# Altium PCB SPEC-A7.PcbDoc (part 5 of 10) (continued)
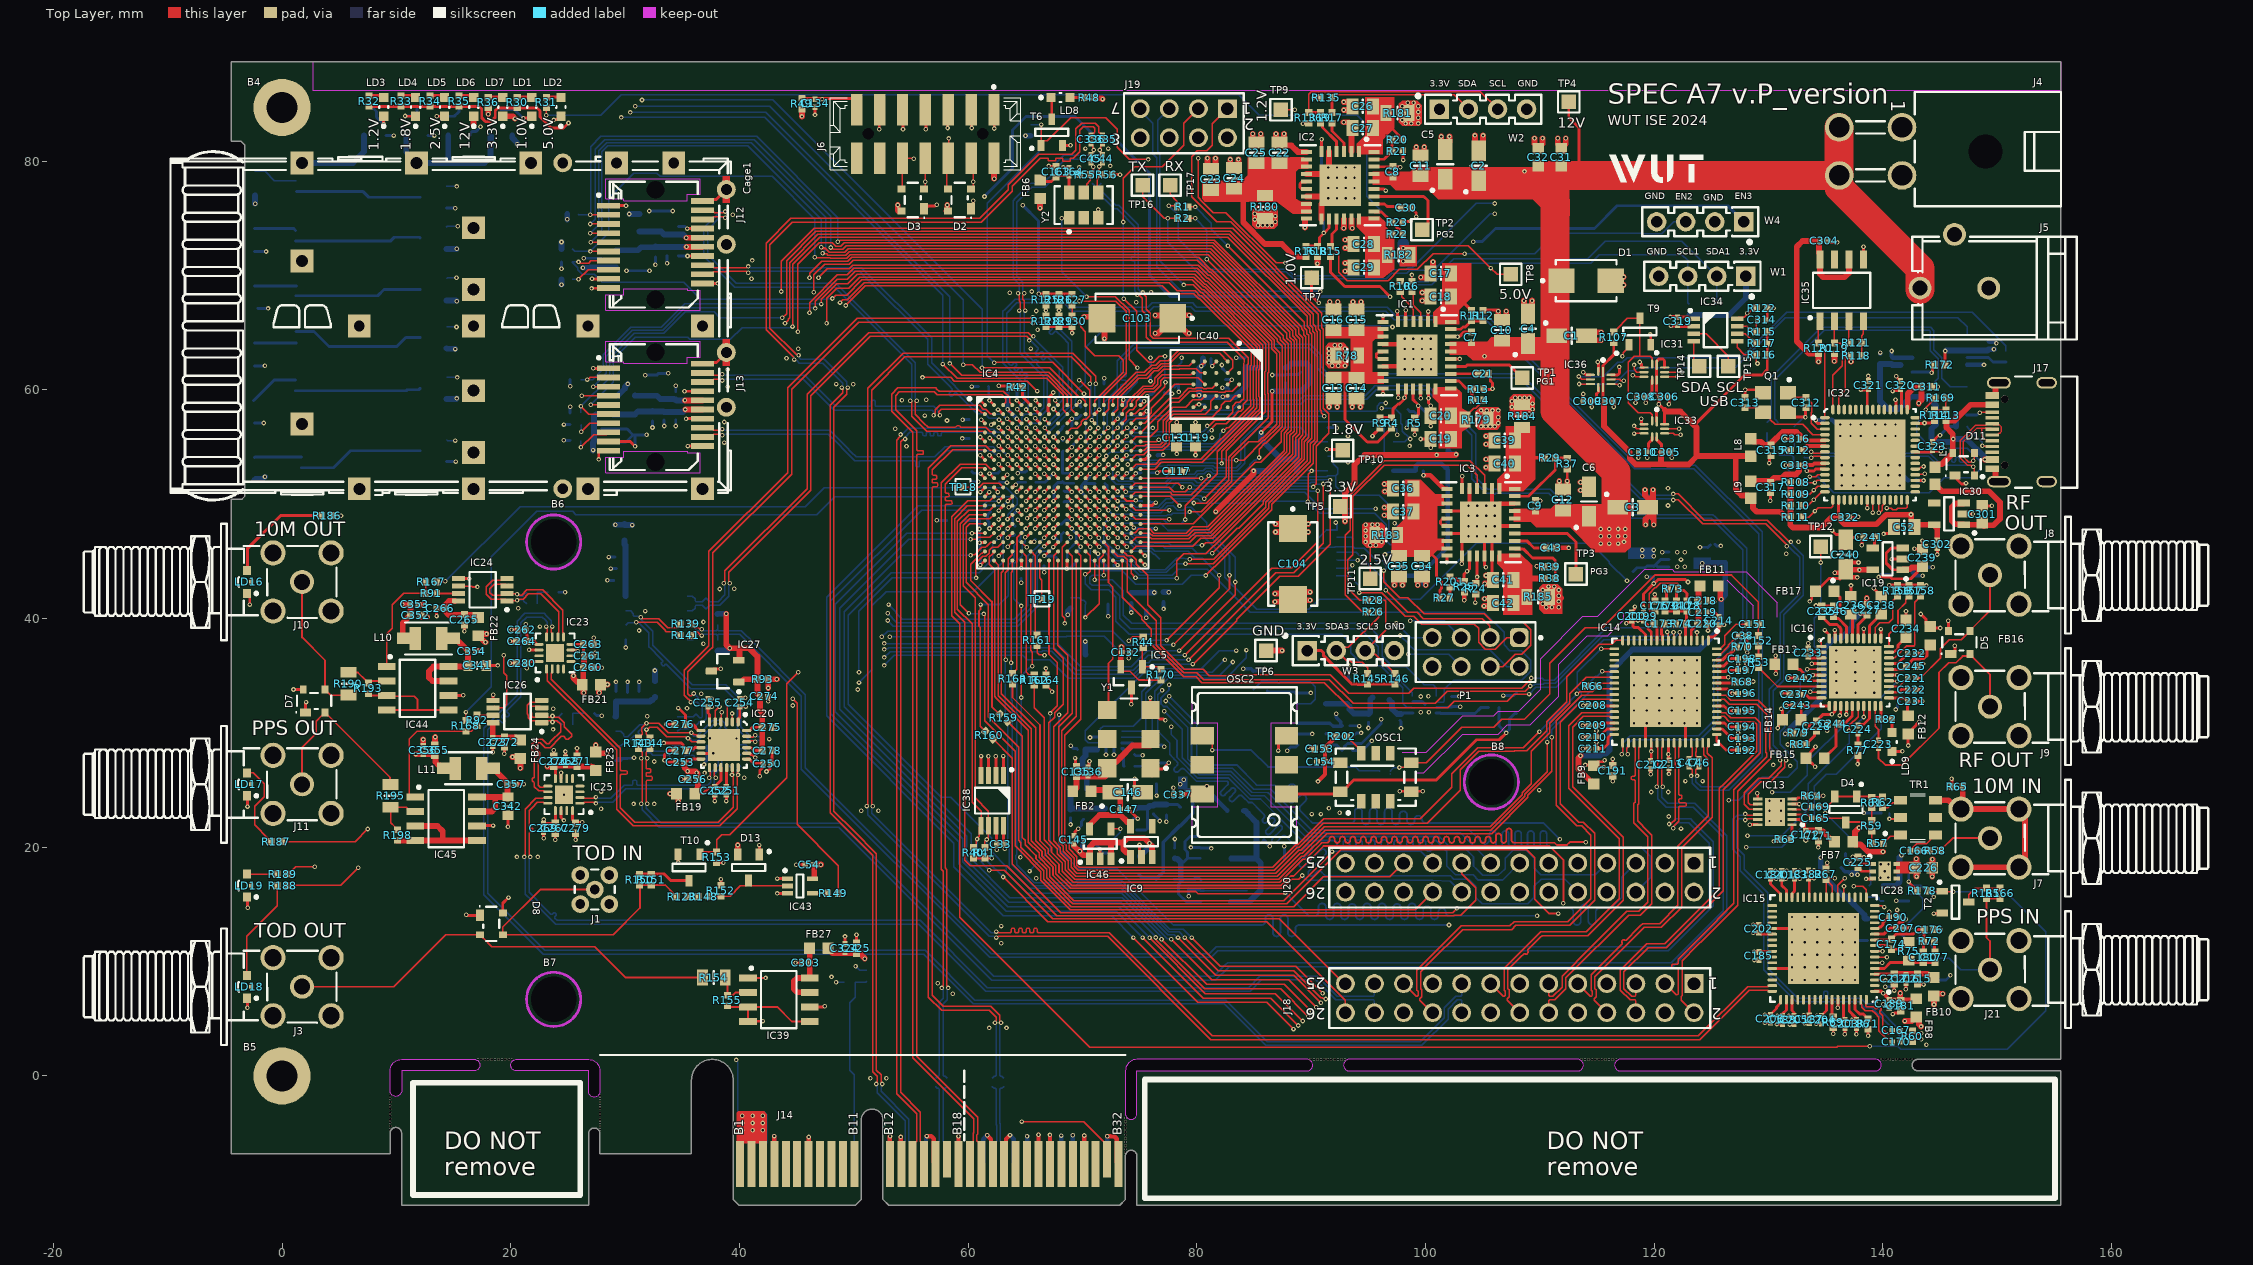
[diagram p0: Top Layer view]
## Nets (pads, with @x,y where several pads share a name; then routed paths per layer and width w, separated by ;. In a path a pad name is that pad's centre, name@x,y a point inside that pad or via, vN(x,y) a via of type N, cw(c..) or ccw(c..) an arc to the next point about the centre after c; other vN are vias at no path point) (continued)
v1(142.013,40.643) ; v1(142.25,17) 142.278,16.972 142.278,16.922 142.98,16.22 R178.1@142.98,16.2 ; R157.2@142.267,42.891 R158.2@143.283,42.891 ; v1(142.75,46.1) 143.398,46.1 C239.1@143.451,46.047 v1(143.451,46.821) ; IC32.41@142.821,57.076 143.606,57.076 v1(143.632,57.102) 144.159,57.102 144.191,57.134 144.328,57.134 R114.1@144.491,57.297 ; C231.1@142.871,32.769 142.872,32.77 v1@143.35,32.77 ; C232.1@142.871,36.96 v1(143.41,36.96) ; C245.1@142.971,35.817 143.154,36 143.41,36 143.462,36.052 v1(143.502,36.052) ; C215.1@143.013,8.032 143.029,8.016 143.533,8.016 v1(143.55,8) ; R158.2@143.287,42.895 143.795,42.895 v1(143.8,42.9) ; v1@143.765,42.895 v1@143.795,42.926 ; C311.1@144.261,60.291 144.267,60.285 144.785,60.285 v1(144.791,60.278) ; C323.1@144.319,55.534 144.342,55.557 144.417,55.557 144.858,55.998 144.954,55.998 v1(144.982,56.025) ; v1(144.45,14.2) 144.475,14.225 145.175,14.225 T2.2@145.2,14.25 ; C176.1@144.479,12.8 v1(145.045,12.8) ; v1(144.75,45.6) C302.1@144.75,46.15 ; D5.1@145.922,36.917 146.064,36.917 146.287,37.14 146.287,37.602 v1(146.273,37.616) ; v1(146,26) 146,25.96 146.03,25.93 R65.1@146.03,25.3 ; D11.1@146.3,52.35 146.874,51.776 147.148,51.776 147.22,51.848 v1(147.26,51.848) ; J9.2@146.467,30.1 J9.2@146.81,29.756 ; IC30.2@147.075,49.16 147.082,49.152 147.857,49.152 v1(147.865,49.144) ; C301.1@148.691,49.928 148.764,49.855 v1(149.526,49.855) ; J17.2@149.56,60.275 149.904,60.62 J17.2@150.135,60.62
  Top Layer w0.381: J14.B4@43.05,-7.7 v1(43.05,-5.257) ; J14.B7@46.05,-7.7 v1(46.05,-5.336) ; J14.B12@53.15,-7.7 53.15,-5.29 53.166,-5.274 v1(53.166,-5.269) ; v1(54.094,-5.329) 54.098,-5.333 54.098,-7.648 J14.B13@54.15,-7.7 ; v1(56.383,-5.255) 56.386,-5.259 56.771,-5.259 56.99,-5.479 56.99,-7.54 J14.B16@57.15,-7.7 ; J14.B18@59.15,-7.7 v1(59.15,-5.282) ; v1(61.656,-5.185) 61.656,-5.19 61.99,-5.525 61.99,-5.89 62.15,-6.05 J14.B21@62.15,-7.7 ; J14.B22@63.15,-7.699 63.309,-7.54 63.309,-5.515 63.654,-5.171 v1(63.654,-5.166) ; J14.B25@66.15,-7.699 v1(66.15,-5.14) ; J14.B26@67.15,-7.699 v1(67.15,-5.156) ; J14.B29@70.15,-7.698 v1(70.15,-5.204) ; v1(72.15,-5.274) 72.767,-5.274 72.99,-5.498 72.99,-7.539 J14.B32@73.15,-7.698 ; C131.1@78.227,56.632 v1(78.227,57.169) ; IC1.13@96.278,62.054 98.266,62.054 IC1.33@99.241,63.029 98.266,64.004 IC1.10@96.278,64.004 ; v1(99.817,52.53) 99.82,52.526 100.407,52.526 101.585,51.349 IC3.7@101.866,51.349 ; v1(103.373,41.608) R25.1@103.373,42.154 ; IC3.33@103.846,49.407 IC3.5@103.846,51.386 ; IC3.33@105.154,48.099 IC3.27@107.791,48.099 ; IC3.2@105.812,51.386 105.812,49.407 106.454,50.049 IC3.30@107.791,50.049 ; C9.1@109.596,50.313 v1(110.035,50.313) ; v1(109.723,44.567) 109.726,44.563 110.362,44.563 R39.1@110.396,44.529 ; C43.1@111.515,46.18 v1(112.517,46.18)
  Top Layer w0.508: C353.1@12.044,41.195 v1@12.474,41.195 ; C352.1@12.2,40.125 v1(12.703,40.125) ; v1(12.333,29.424) 12.35,29.407 C356.1@12.35,28.85 ; C355.1@13.35,28.95 13.366,28.966 13.366,29.616 v1(13.392,29.642) ; v1(16.741,83.15) 16.741,83.779 16.759,83.797 LD6.1@16.759,83.925 ; C354.1@16.95,37.158 v1(17.4,37.158) ; LD7.1@19.299,83.925 LD7.1@19.444,83.925 ; LD7.1@19.445,83.924 20.171,83.924 v1(20.371,83.724) ; v1(70.138,66.39) 71.56,66.39 C103.2@71.687,66.263 71.916,66.033 v1(71.916,64.485) ; v1(80.924,80.251) 80.924,79.771 81.195,79.5 C23.1@81.305,79.5 ; C23.1@81.36,79.5 81.631,79.771 v1(81.631,80.251) ; v1(82.924,80.151) 82.924,79.671 83.195,79.4 C24.1@83.25,79.4 C24.1@83.305,79.4 ; C24.1@83.36,79.4 83.631,79.671 v1(83.631,80.151) ; v1(84.886,82.391) 84.886,81.911 85.157,81.64 C25.1@85.212,81.64 C25.1@85.267,81.64 ; C25.1@85.322,81.64 85.593,81.911 v1(85.593,82.391) ; TP6.1@86.05,37.2 v1(87.447,37.2) ; v1(86.828,41.475) 87.308,41.475 87.579,41.746 C104.2@87.579,41.856 ; v1(86.828,42.182) 87.308,42.182 C104.2@87.579,41.911 ; v1(86.918,82.391) 86.918,81.911 87.189,81.64 C22.1@87.244,81.64 ; C22.1@87.299,81.64 C22.1@87.244,81.64 ; C22.1@87.354,81.64 87.625,81.911 v1(87.625,82.391) ; C104.2@89.149,41.879 89.42,41.608 v1(89.9,41.608) ; C104.2@89.149,41.934 89.149,42.044 89.42,42.315 v1(89.9,42.315) ; v1(89.45,74.2) IC2.16@89.45,74.882 ; IC2.13@89.574,76.915 IC2.33@91.561,76.915 ; IC2.10@89.574,78.865 IC2.33@91.561,78.865 ; IC2.7@89.574,80.815 88.82,80.815 88.263,81.372 87.512,81.372 C22.1@87.244,81.64 ; v1(90.54,71.043) 90.54,71.628 R18.1@90.546,71.634 ; IC2.17@90.903,74.927 90.903,76.257 IC2.33@91.561,76.915 ; IC2.5@91.553,80.852 91.553,78.873 IC2.33@91.561,78.865 ; v1(91.562,58.499) 91.562,58.979 C13.1@91.833,59.25 ; v1(91.617,67.697) 91.617,67.29 91.888,67.019 C16.1@91.943,67.019 C16.1@91.998,67.019 ; C13.1@91.888,59.25 C13.1@91.943,59.25 91.998,59.25 92.269,58.979 v1(92.269,58.499) ; C16.1@92.053,67.019 92.324,67.29 v1(92.324,67.697) ; v1(92.832,74.136) 92.861,74.165 IC2.20@92.861,74.927 ; v1(92.832,83.407) 93.312,83.407 C27.1@93.583,83.136 ; v1(92.849,84.474) 93.329,84.474 93.6,84.745 C26.1@93.6,84.8 C26.1@93.6,84.855 ; v1(92.849,85.181) 93.329,85.181 C26.1@93.6,84.91 ; v1(92.959,70.381) 93.439,70.381 93.71,70.652 C29.1@93.71,70.707 C29.1@93.71,70.762 ; v1(92.959,71.088) 93.439,71.088 C29.1@93.71,70.817 ; v1(92.959,72.413) 93.439,72.413 93.71,72.684 C28.1@93.71,72.739 C28.1@93.71,72.794 ; v1(92.959,73.12) 93.439,73.12 C28.1@93.71,72.849 ; IC2.21@93.519,74.927 93.519,74.21 v1(93.594,74.136) ; IC2.2@93.519,80.852 93.519,82.962 93.583,83.026 C27.1@93.583,83.081 ; v1(93.594,58.499) 93.594,58.979 C14.1@93.865,59.25 ; v1(93.649,67.697) 93.649,67.29 93.92,67.019 C15.1@93.975,67.019 C15.1@94.03,67.019 ; C14.1@93.92,59.25 C14.1@93.975,59.25 94.03,59.25 94.301,58.979 v1(94.301,58.499) ; C15.1@94.085,67.019 94.356,67.29 v1(94.356,67.697) ; v1(96.388,49.029) 96.868,49.029 97.139,49.3 C37.1@97.139,49.355 C37.1@97.139,49.41 ; v1(96.388,49.717) 96.868,49.717 96.868,49.736 C37.1@97.139,49.465 ; v1(96.388,51.768) 96.868,51.768 C36.1@97.139,51.497 ; v1(96.419,51.12) 96.868,51.12 96.868,51.061 97.139,51.332 C36.1@97.139,51.387 C36.1@97.139,51.442 ; v1(97.277,42.913) 97.277,43.393 C35.1@97.548,43.664 ; C35.1@97.603,43.664 C35.1@97.658,43.664 97.713,43.664 97.984,43.393 v1(97.984,42.913) ; v1(99.182,81.248) 99.182,80.768 99.453,80.497 C11.1@99.563,80.497 ; v1(99.309,42.913) 99.309,43.393 C34.1@99.58,43.664 ; v1(99.573,69.837) 100.053,69.837 100.324,70.108 C17.1@100.324,70.218 ; C11.1@99.618,80.497 99.889,80.768 v1(99.889,81.248) ; C34.1@99.635,43.664 C34.1@99.69,43.664 99.742,43.664 100.013,43.393 v1(100.013,42.915) ; v1(99.7,67.805) 100.18,67.805 100.451,68.076 C18.1@100.451,68.186 ; v1(99.7,68.512) 100.18,68.512 C18.1@100.451,68.241 ; C17.1@100.324,70.273 C17.1@100.324,70.303 ; C17.1@100.324,70.303 100.65,70.629 v1(100.65,71.2) ; v1(101.376,82.157) 101.376,81.677 101.647,81.406 C5.2@101.757,81.406 ; C5.2@101.812,81.406 102.083,81.677 v1(102.083,82.157) ; IC3.33@103.817,49.304 104.8,48.321 IC3.33@104.53,48.052 ; IC3.33@103.825,47.346 IC3.33@104.53,48.052 ; v1(104.317,82.253) 104.317,81.773 104.588,81.502 C2.2@104.698,81.502 ; v1(104.497,48.085) IC3.33@104.53,48.052 ; C2.2@104.753,81.502 105.024,81.773 v1(105.024,82.253) ; v1(105.108,41.09) 105.631,41.09 105.631,41.028 105.902,41.299 C42.1@105.902,41.354 C42.1@105.902,41.409 ; v1(105.151,41.735) 105.631,41.735 C42.1@105.902,41.464 ; v1(105.168,43.061) 105.648,43.061 105.919,43.332 C41.1@105.919,43.442 ; v1(105.278,53.22) 105.758,53.22 106.029,53.491 C40.1@106.029,53.546 C40.1@106.029,53.601 ; v1(105.278,53.927) 105.758,53.927 C40.1@106.029,53.656 ; v1(105.278,55.252) 105.758,55.252 106.029,55.523 C39.1@106.029,55.578 C39.1@106.029,55.633 ; v1(105.278,55.959) 105.758,55.959 C39.1@106.029,55.688 ; v1(105.285,43.768) 105.648,43.768 105.812,43.604 C41.1@105.919,43.497 ; v1(106.349,66.881) 106.349,66.401 106.62,66.13 C10.1@106.675,66.13 C10.1@106.73,66.13 ; C10.1@106.785,66.13 107.056,66.401 v1(107.056,66.881) ; v1(108.603,67.802) 108.603,67.322 108.874,67.051 C4.2@108.984,67.051 ; C4.2@109.039,67.051 109.31,67.322 v1(109.31,67.802) ; v1(109.524,82.01) 109.524,81.53 109.795,81.259 C32.1@109.905,81.259 ; C32.1@109.96,81.259 110.231,81.53 v1(110.231,82.01) ; v1(111.556,82.01) 111.556,81.53 111.827,81.259 C31.1@111.937,81.259 ; v1(111.683,52.022) 111.683,51.542 111.954,51.271 C12.1@112.009,51.271 C12.1@112.064,51.271 ; C31.1@111.992,81.259 112.263,81.53 v1(112.263,82.01) ; C12.1@112.119,51.271 112.39,51.542 v1(112.39,52.022) ; v1(113.544,51.218) 114.024,51.218 114.295,51.489 C6.2@114.295,51.544 C6.2@114.295,51.599 ; v1(113.544,51.925) 114.024,51.925 C6.2@114.295,51.654 ; C1.2@114.61,64.602 114.881,64.331 v1(115.361,64.331) ; C1.2@114.61,64.657 114.61,64.767 114.881,65.038 v1(115.361,65.038) ; D1.2@116.581,69.438 116.852,69.167 v1(117.332,69.167) ; D1.2@116.581,69.493 116.581,69.603 116.852,69.874 v1(117.332,69.874) ; v1(119.185,51.261) 119.185,50.777 119.456,50.506 119.555,50.506 C3.2@119.555,49.886 ; v1(119.239,48.202) 119.239,48.694 119.51,48.965 ; C3.2@119.405,49.736 119.575,49.736 119.946,49.365 119.946,48.694 ; C3.2@119.555,50.122 119.892,50.459 v1(119.892,51.261) ; 119.565,48.965 119.675,48.965 119.946,48.694 ; v1(119.946,48.202) 119.946,48.694 ; C227.1@138.584,41.22 v1(138.584,41.786) ; v1(144.312,17.439) C226.1@144.312,18.213 144.322,18.223 v1(144.322,18.948) ; J17.A1-B12@149.56,53.1 149.801,53.1 149.847,53.054 149.847,52.207 150.075,51.98 J17.1@150.135,51.98 ; J17.B1-A12@149.847,59.727 J17.2@149.847,60.574 ; IC2.33@91.561,76.915 IC2.33@92.536,77.89 IC2.33@91.561,78.865
  Bottom Layer w0.127: v1(48.447,8.207) R104.1@49.182,8.207 ; v1(73.96,53.476) 73.96,53.464 C71.1@73.967,53.458
  Bottom Layer w0.152: C83.1@78.303,62.093 78.338,62.093 78.662,62.417 v1(78.662,62.804) ; v1(80.183,58.729) 80.694,58.729 C326.1@80.767,58.657 ; IC47.2@80.6,16.2 C339.1@84.383,16.2 ; R54.1@90.65,47.07 90.67,47.07 90.884,47.284 90.884,47.304 91.33,47.75 92.25,47.75 92.25,48.233 92.15,48.333 v3(92.15,48.4) ; v1(131.514,53.404) 131.562,53.357 131.562,53.131 131.956,52.737 131.963,52.737 C333.2@132.35,52.35 ; C334.1@132.25,56.8 133.012,57.562 133.17,57.562 v1(133.218,57.61)
  Bottom Layer w0.254: T7.2@14.376,75.892 v1(15.133,75.892) ; T8.2@14.383,53.728 v1(15.199,53.728) ; R194.1@24.22,42.3 v1(24.75,42.3) ; v1(24.433,70.591) R98.1@24.433,71.188 ; v1(24.649,56.964) R103.1@25.195,56.964 ; v1(26.369,71.511) C282.1@27.951,71.511 ; R199.1@27.32,31.7 27.32,31.691 27.483,31.528 27.922,31.528 v1(27.95,31.5) ; C289.1@27.92,56.583 30.178,56.583 C291.1@30.697,56.064 ; C290.1@28.147,55.44 30.073,55.44 C291.1@30.697,56.064 ; v1(28.452,43.346) C247.1@29,43.346 ; v1(28.572,45.378) C249.1@29.127,45.378 ; v1(28.746,44.369) 28.749,44.366 29.224,44.366 C248.1@29.227,44.362 ; C257.1@29.196,33.636 v1(29.196,34.456) ; IC22.5@29.638,27.598 IC22.5@29.163,27.598 29.336,27.771 30.221,27.771 30.238,27.788 30.747,27.788 v1(30.775,27.816) ; v1(30.052,37.471) IC21.5@30.052,38.139 ; v1(30.121,70.415) v1(32.131,70.415) ; C258.1@30.212,33.536 v1(30.212,34.456) ; v1(30.872,55.059) C291.1@30.872,56.064 ; C259.1@31.228,33.636 v1(31.228,34.456) ; v1(31.76,61.285) 32.768,61.285 32.929,61.446 v1(33.782,61.446) ; v1(31.877,56.064) C291.1@30.872,56.064 ; v1@32.026,75.644 v1(32.107,75.644) v1(34.163,75.644) ; v1(32.396,56.71) C292.1@32.396,57.276 ; v1(32.65,70.934) C284.1@32.65,71.627 ; v1(33.412,56.837) C293.1@33.412,57.376 ; v1(33.666,71.061) C285.1@33.666,71.727 ; v1(34.428,56.837) C294.1@34.428,57.376 ; C296.1@34.428,59.854 v1(34.428,60.357) ; C288.1@34.65,74.285 35.226,74.285 35.403,74.107 v1(35.442,74.107) ; C286.1@34.682,71.727 34.692,71.717 35.445,71.717 v1(35.455,71.707) ; v1(57.248,48.593) C68.1@58.123,48.593 ; v1(59.481,55.755) C62.1@60.097,55.755 ; v1(59.507,57.398) 59.511,57.402 60.092,57.402 C63.1@60.097,57.407 ; C84.1@60.32,52.853 60.464,52.708 61.053,52.708 v1(61.081,52.68) ; v1(60.32,60.287) 60.325,60.282 60.881,60.282 C67.1@60.886,60.277 ; v1(61.064,44.676) 61.067,44.679 61.067,45.309 C89.1@61.071,45.312 ; C69.1@61.686,48.593 61.686,49.077 61.95,49.341 C87.1@61.975,49.341 ; C69.1@61.809,48.47 61.836,48.443 61.836,47.904 v1(61.864,47.876) ; v1(61.864,52.68) 61.892,52.708 62.588,52.708 C85.1@62.733,52.853 ; C93.1@64.101,48.072 64.101,48.097 63.895,48.302 63.895,49.08 63.907,49.08 64.283,49.456 v1(64.323,49.456) ; v1(64.15,51.7) 64.15,51.709 64.366,51.925 L1.2@65.006,51.925 ; v1(64.264,59.076) 64.279,59.091 64.279,60.09 C56.1@64.339,60.15 ; C97.1@64.631,43.503 64.639,43.496 64.639,43.145 v1(64.646,43.138) ; v1(65.765,46.73) 65.793,46.758 65.793,46.845 C98.1@65.876,46.929 ; v1(66.642,44.049) C90.1@66.642,44.62 ; v1(67.464,47.076) 67.492,47.048 67.631,47.048 67.953,46.726 C86.1@67.978,46.726 68.003,46.726 68.139,46.862 68.139,47.344 C108.1@68.322,47.527 ; v1(67.464,50.276) 67.492,50.304 67.492,51.048 v1(67.464,51.076) 67.492,51.104 67.492,51.574 67.825,51.907 68.158,51.907 C106.1@68.245,51.994 ; v1(67.464,55.876) 67.51,55.876 67.564,55.93 67.564,55.976 68.229,56.641 68.229,56.75 68.327,56.848 C78.1@68.352,56.848 ; C106.1@68.245,51.969 68.343,51.871 68.368,51.871 68.409,51.83 C109.1@69.198,51.83 ; R147.2@68.38,50.208 68.419,50.248 69.036,50.248 v1(69.064,50.276) ; v1(68.629,44.374) 68.657,44.402 68.934,44.402 69.585,45.053 C95.1@69.585,45.078 ; v1(68.953,21.989) C143.1@68.953,22.58 ; v1(68.963,28.873) 69.185,28.652 69.462,28.652 C137.1@69.56,28.554 ; v1(69.064,54.986) 69.064,55.026 69.235,55.198 C116.1@69.235,55.26 ; v1(69.613,21.62) 69.62,21.62 69.913,21.913 69.913,22.266 C142.1@70.096,22.449 ; v1(69.739,58.95) 69.767,58.923 69.767,58.578 C76.1@69.86,58.484 ; v1(70.65,29.6) 70.675,29.626 IC7.3@71.332,29.626 72.132,29.626 IC7.9@72.382,29.376 ; C144.1@71,20.5 71.183,20.317 71.183,20.213 71.52,19.876 v3(71.52,19.837) 71.548,19.809 71.548,19.745 71.804,19.489 72.311,19.489 C338.1@72.35,19.45 ; v1(71.351,45.67) 71.379,45.642 71.379,45.287 72.01,44.656 C88.1@72.035,44.656 ; C74.1@71.89,60.5 v1(71.89,61.026) ; C110.1@71.976,51.819 72.159,51.636 72.159,51.22 72.264,51.115 v1(72.264,51.076) ; v1(72.05,28.1) 72.05,29.044 IC7.9@72.382,29.376 ; IC37.4@72.217,41.268 72.233,41.251 72.233,40.217 v1(72.25,40.2) ; v1(72.75,28.1) 72.75,29.008 IC7.9@72.382,29.376 ; v1(73.064,57.476) 73.092,57.504 73.092,57.657 73.293,57.859 C75.1@73.293,57.997 ; IC8.2@74.437,22.486 74.461,22.51 v1(74.825,22.51) ; C138.1@74.55,28.125 74.675,28 75.163,28 75.21,28.047 v1(75.25,28.047) ; v1(74.664,52.693) 74.692,52.721 75.08,52.721 C118.1@75.113,52.754 ; C79.1@75.021,59.134 75.119,59.036 75.301,59.036 75.342,58.994 v1(75.382,58.994) ; C73.1@75.719,56.673 v1(76.146,56.674) ; C96.1@75.91,50.244 75.983,50.17 76.373,50.17 v1(76.401,50.143) ; C82.1@75.944,62.238 v1(75.944,62.804) ; C91.1@75.973,47.872 v1(76.407,47.872) ; C141.1@76.192,22.93 76.192,22.905 76.722,22.375 76.722,22.328 v1(76.75,22.3) ; C139.1@76.446,25.555 76.479,25.521 v1@76.479,24.523 ; C81.1@77.153,59.769 77.226,59.696 77.792,59.696 v1(77.82,59.668) ; v1(77.335,22.239) C140.1@77.335,22.83 ; C159.1@78.05,19.95 78.064,19.965 78.064,20.706 v1(78.079,20.721) ; v1@79.218,52.975 v1(79.218,53.023) ; C160.1@79.25,16.35 C160.1@79.263,16.337 ; v1(79.277,15.728) 79.263,15.741 C160.1@79.263,16.337 ; v1(79.479,19.987) IC12.2@80.28,19.987 80.34,19.928 81.222,19.928 v1(81.25,19.9) ; IC47.2@80.6,16.2 IC47.2@80.35,16.2 80.275,16.275 79.325,16.275 C160.1@79.263,16.337 ; C327.1@81.244,62.741 81.244,62.255 81.351,62.148 v1(81.351,62.081) ; v1(82.234,60.181) 82.262,60.153 82.714,60.153 C328.1@82.799,60.068 ; C80.1@82.494,60.892 82.497,60.89 83.05,60.89 v1(83.053,60.887) ; v1(83.451,62.814) 83.463,62.802 84.202,62.802 C330.1@84.25,62.85 ; C162.1@85.732,20.517 85.777,20.517 85.812,20.552 85.812,20.638 85.887,20.638 86.023,20.502 86.023,20.427 86.362,20.088 v1(86.365,20.088) ; C155.1@86.15,33.65 86.225,33.575 87.15,33.575 87.175,33.6 88.5,33.6 IC11.2@88.635,33.465 ; v1(86.583,61.3) 86.595,61.288 87.732,61.288 IC41.2@87.743,61.277 87.816,61.35 88.867,61.35 C329.1@89.064,61.547 ; C161.2@87.65,19 v1(87.65,20.098) ; v3@87.895,28.453 88.228,28.786 88.655,28.786 IC48.1@88.828,28.959 ; IC11.2@88.604,33.504 v3@89.946,33.504 ; IC48.2@88.828,29.909 v1(90.078,29.909) ; IC6.4@91.464,56.722 91.491,56.695 92.205,56.695 v1(92.232,56.668) ; v3(93.25,35.9) 93.25,34.8 C157.2@93.35,34.7 ; C343.2@93.397,30.631 94.13,30.631 94.16,30.6 v1(94.2,30.6) ; C345.1@93.6,28.474 94.474,28.474 v1(95.3,29.3) ; C344.1@93.6,29.65 93.783,29.833 93.951,30.002 v1(94.36,30.002) ; v1(95,30.433) C158.1@95,30.933 ; C148.1@97.776,31.074 97.85,31 v1(97.85,30.4) ; IC10.3@98.9,32.75 99.7,32.75 IC10.9@99.95,32.5 ; C133.1@99.786,52.911 99.801,52.895 99.801,52.545 v1(99.817,52.53) ; C149.1@102.278,33.2 102.932,33.2 v1(102.942,33.19) ; v1(106.794,33.263) 107.713,33.263 C150.1@107.95,33.5 ; v1@119.332,43.651 C229.1@119.95,43.65 ; C229.1@119.95,43.65 119.953,43.647 119.953,43.068 v1(119.956,43.065) ; v1@120.66,45.811 v1(120.701,45.811) IC18.3@121.287,45.811 ; v1(124,46.239) 124.677,46.239 124.677,46.203 C230.1@124.901,46.427 ; C230.1@125.304,46.501 125.423,46.382 125.423,46.35 v1(125.818,46.35) ; v2(137.55,11.7) 137.616,11.7 137.766,11.85 D16.1@138.65,11.85 ; v1(138.311,23) C168.2@139.85,23 ; v1(140.2,7.8) 140.727,7.8 141.527,8.6 D6.1@142.7,8.6 ; v1(141.123,32.048) 141.123,32.087 141.279,32.244 141.279,32.567 141.442,32.73 R76.2@141.45,32.73 ; v1(141.15,15.314) 142.236,15.314 IC42.3@142.25,15.3 ; IC42.1@142.2,16.621 143.324,16.621 143.646,16.299 143.801,16.299 144.393,15.706 144.393,15.699 v1(144.437,15.655) ; v1(142.25,17) C351.1@142.25,17.6 ; v1(144.982,56.025) 145.737,56.78 R105.2@146.38,56.78 ; C291.1@30.697,56.064 C291.1@30.872,56.064
  Bottom Layer w0.381: J14.A4@43.05,-7.7 v1(43.05,-5.257) ; J14.A12@53.15,-7.7 53.15,-5.29 53.166,-5.274 v1(53.166,-5.269) ; J14.A15@56.15,-7.7 56.309,-7.54 56.309,-5.329 v1(56.383,-5.255) ; J14.A18@59.15,-7.7 v1(59.15,-5.282) ; J14.A20@61.15,-7.7 61.309,-7.54 61.309,-5.536 61.656,-5.19 v1(61.656,-5.185) ; v1(63.654,-5.166) 63.654,-5.171 63.99,-5.508 63.99,-7.54 J14.A23@64.15,-7.699 ; J14.A24@65.15,-7.699 v1(65.15,-5.259) ; J14.A27@68.15,-7.699 v1(68.15,-5.211) ; J14.A28@69.15,-7.699 v1(69.15,-5.188) ; J14.A31@72.15,-7.698 v1(72.15,-5.274) ; v1(74.25,40.53) C100.1@74.25,41.35 ; v1(75.56,40.084) C102.1@75.56,40.681 ; C72.1@76.587,54.28 76.615,54.308 77.052,54.308 v1(77.056,54.312) ; v1(77.084,40.846) C101.1@77.084,41.412 ; C298.1@135.5,57.4 135.525,57.4 135.947,56.978 136.262,56.978 v1(136.266,56.975) ; C300.1@139.75,63.15 v1(139.75,63.26) ; v1(140.75,63.4) C331.1@140.75,62.95 140.75,62.925 140.857,62.817 IC29.13@142.55,62.817 ; v1(141.473,52.53) 141.476,52.526 141.749,52.526 142.175,52.1 C297.1@142.2,52.1 ; IC29.5@147.35,62.182 v1(148.832,62.182) ; C299.1@149.25,64.25 149.277,64.223 149.779,64.223 149.913,64.088 v1(149.919,64.088)
  Bottom Layer w0.508: Cage1.1@1.75,79.85 6.2,79.85 7.173,80.823 T3.2@7.173,82.241 ; T4.2@10.856,82.241 10.856,80.804 11.81,79.85 14.378,79.85 ; T11.2@14.376,72.331 v1(15.265,72.331) ; T14.2@14.383,59.189 14.403,59.209 15.224,59.209 v1(15.265,59.25) ; T13.2@14.383,63.634 14.429,63.588 15.118,63.588 v1(15.138,63.568) ; T12.2@14.383,67.825 14.406,67.802 15.222,67.802 v1(15.265,67.759) ; T5.2@14.539,82.241 14.539,80.011 14.378,79.85 ; 18.268,81.422 18.268,82.195 T1.2@18.222,82.241 18.222,80.368 17.704,79.85 14.378,79.85 ; C332.2@99.85,43.45 99.85,43.079 v1(100.013,42.915) ; R105.2@146.38,56.8 R106.2@146.38,57.8
  other v1: 51.45,-0.2 52.85,-0.2 143.8,2.727 143.836,4.009 61.85,4.2 63.35,4.2 58.64,7.2 57.342,8.116 48.048,8.66 62.9,11.608 62.9,13.108 65.96,17.3 139.78,17.337 140.463,17.364 140.15,17.9 139.808,18.522 140.485,18.522 20.537,19.157 22.346,19.157 122.334,21.633 130.066,22.298 131.082,22.298 121.273,22.694 50.65,23.2 52.15,23.2 130.066,23.187 131.082,23.187 27.894,23.371 30.739,23.787 32.549,23.787 130.066,24.076 131.082,24.076 76.475,24.519 119.728,24.833 121.228,24.833 27.894,24.871 122.724,25.79 124.224,25.79 40.415,26.079 36.95,26.5 131.885,27.115 130.4,27.2 32.55,27.5 37.705,28.233 42.605,29.461 39.737,29.503 23.699,30.302 31.941,31.452 99.588,31.809 100.293,31.807 23.707,32.105 35.412,32.161 44.65,32.4 143.436,32.779 99.571,33.183 100.25,33.2 36.651,33.438 135.944,33.504 137.595,33.504 139.246,33.504 50.35,33.8 135.917,34.547 137.568,34.547 139.219,34.547 135.917,35.309 137.568,35.309 139.219,35.309 135.917,36.198 137.568,36.198 139.219,36.198 135.92,37.21 137.568,37.214 139.219,37.214 36.85,37.8 31.222,38.956 22.55,39.3 36.85,39.7 31.766,40.657 20.65,40.89 12.484,41.206 38.286,42.583 39.55,42.6 119.331,43.651 121.996,44.539 122.673,44.539 122.337,45.161 131.548,45.66 121.999,45.807 122.676,45.807 132.608,46.721 103.754,47.196 104.497,47.196 105.278,47.196 106.04,47.196 103.754,48.085 105.278,48.085 106.04,48.085 103.754,48.986 104.516,48.986 105.297,48.986 106.04,48.986 138.622,49.663 103.754,49.875 104.516,49.875 105.297,49.875 106.04,49.875 121.199,49.891 121.199,51.391 136.393,51.641 137.409,51.641 138.552,51.641 139.568,51.641 140.457,51.641 141.473,51.641 136.393,52.53 137.409,52.53 138.552,52.53 139.568,52.53 140.457,52.53 136.393,53.419 137.409,53.419 138.552,53.419 139.568,53.419 140.457,53.419 141.473,53.419 93.213,53.673 95.362,53.673 54.605,55.058 38.671,55.389 81.322,55.827 93.213,55.959 136.266,55.959 137.155,55.959 138.044,55.959 139.314,55.959 140.203,55.959 141.092,55.959 53.616,56.597 137.155,56.975 138.044,56.975 139.314,56.975 140.203,56.975 141.092,56.975 38.671,57.189 58.148,57.318 56.213,57.753 54.208,59.094 56.336,59.142 38.971,60.289 48.455,60.506 49.95,60.5 38.984,61.783 98.182,61.802 98.944,61.802 99.706,61.802 100.468,61.802 98.182,62.691 98.944,62.691 99.706,62.691 100.468,62.691 44.11,62.758 98.166,63.579 98.928,63.579 99.69,63.579 100.452,63.579 45.15,63.6 65.47,63.61 98.166,64.468 98.928,64.468 99.69,64.468 100.452,64.468 66.068,65.255 65.95,66.9 74.702,67.651 63.631,68.482 75.996,68.548 65.55,68.6 41.052,69.724 41.108,71.322 39.413,75.305 91.49,76.764 92.252,76.764 93.014,76.764 93.776,76.764 91.49,77.653 92.252,77.653 93.014,77.653 93.776,77.653 91.49,78.554 92.252,78.554 93.014,78.554 93.776,78.554 91.49,79.443 92.252,79.443 93.014,79.443 93.776,79.443 72.416,79.581 70.25,81.1 72.25,81.1